# Altium PCB PCB-Tester-Board.PcbDoc (part 2 of 7)
Units mm, origin at the board's own origin, x right, y up, seen from the top; angles counter-clockwise.
Board outline 400 x 300 mm, 8 copper layers (Top Layer, Inner1, Inner2, Inner3, Inner4, Inner5, Inner6, Bottom Layer), stack 1.515 mm thick; 757 components, 658 nets, 2830 pads, 1016 vias.
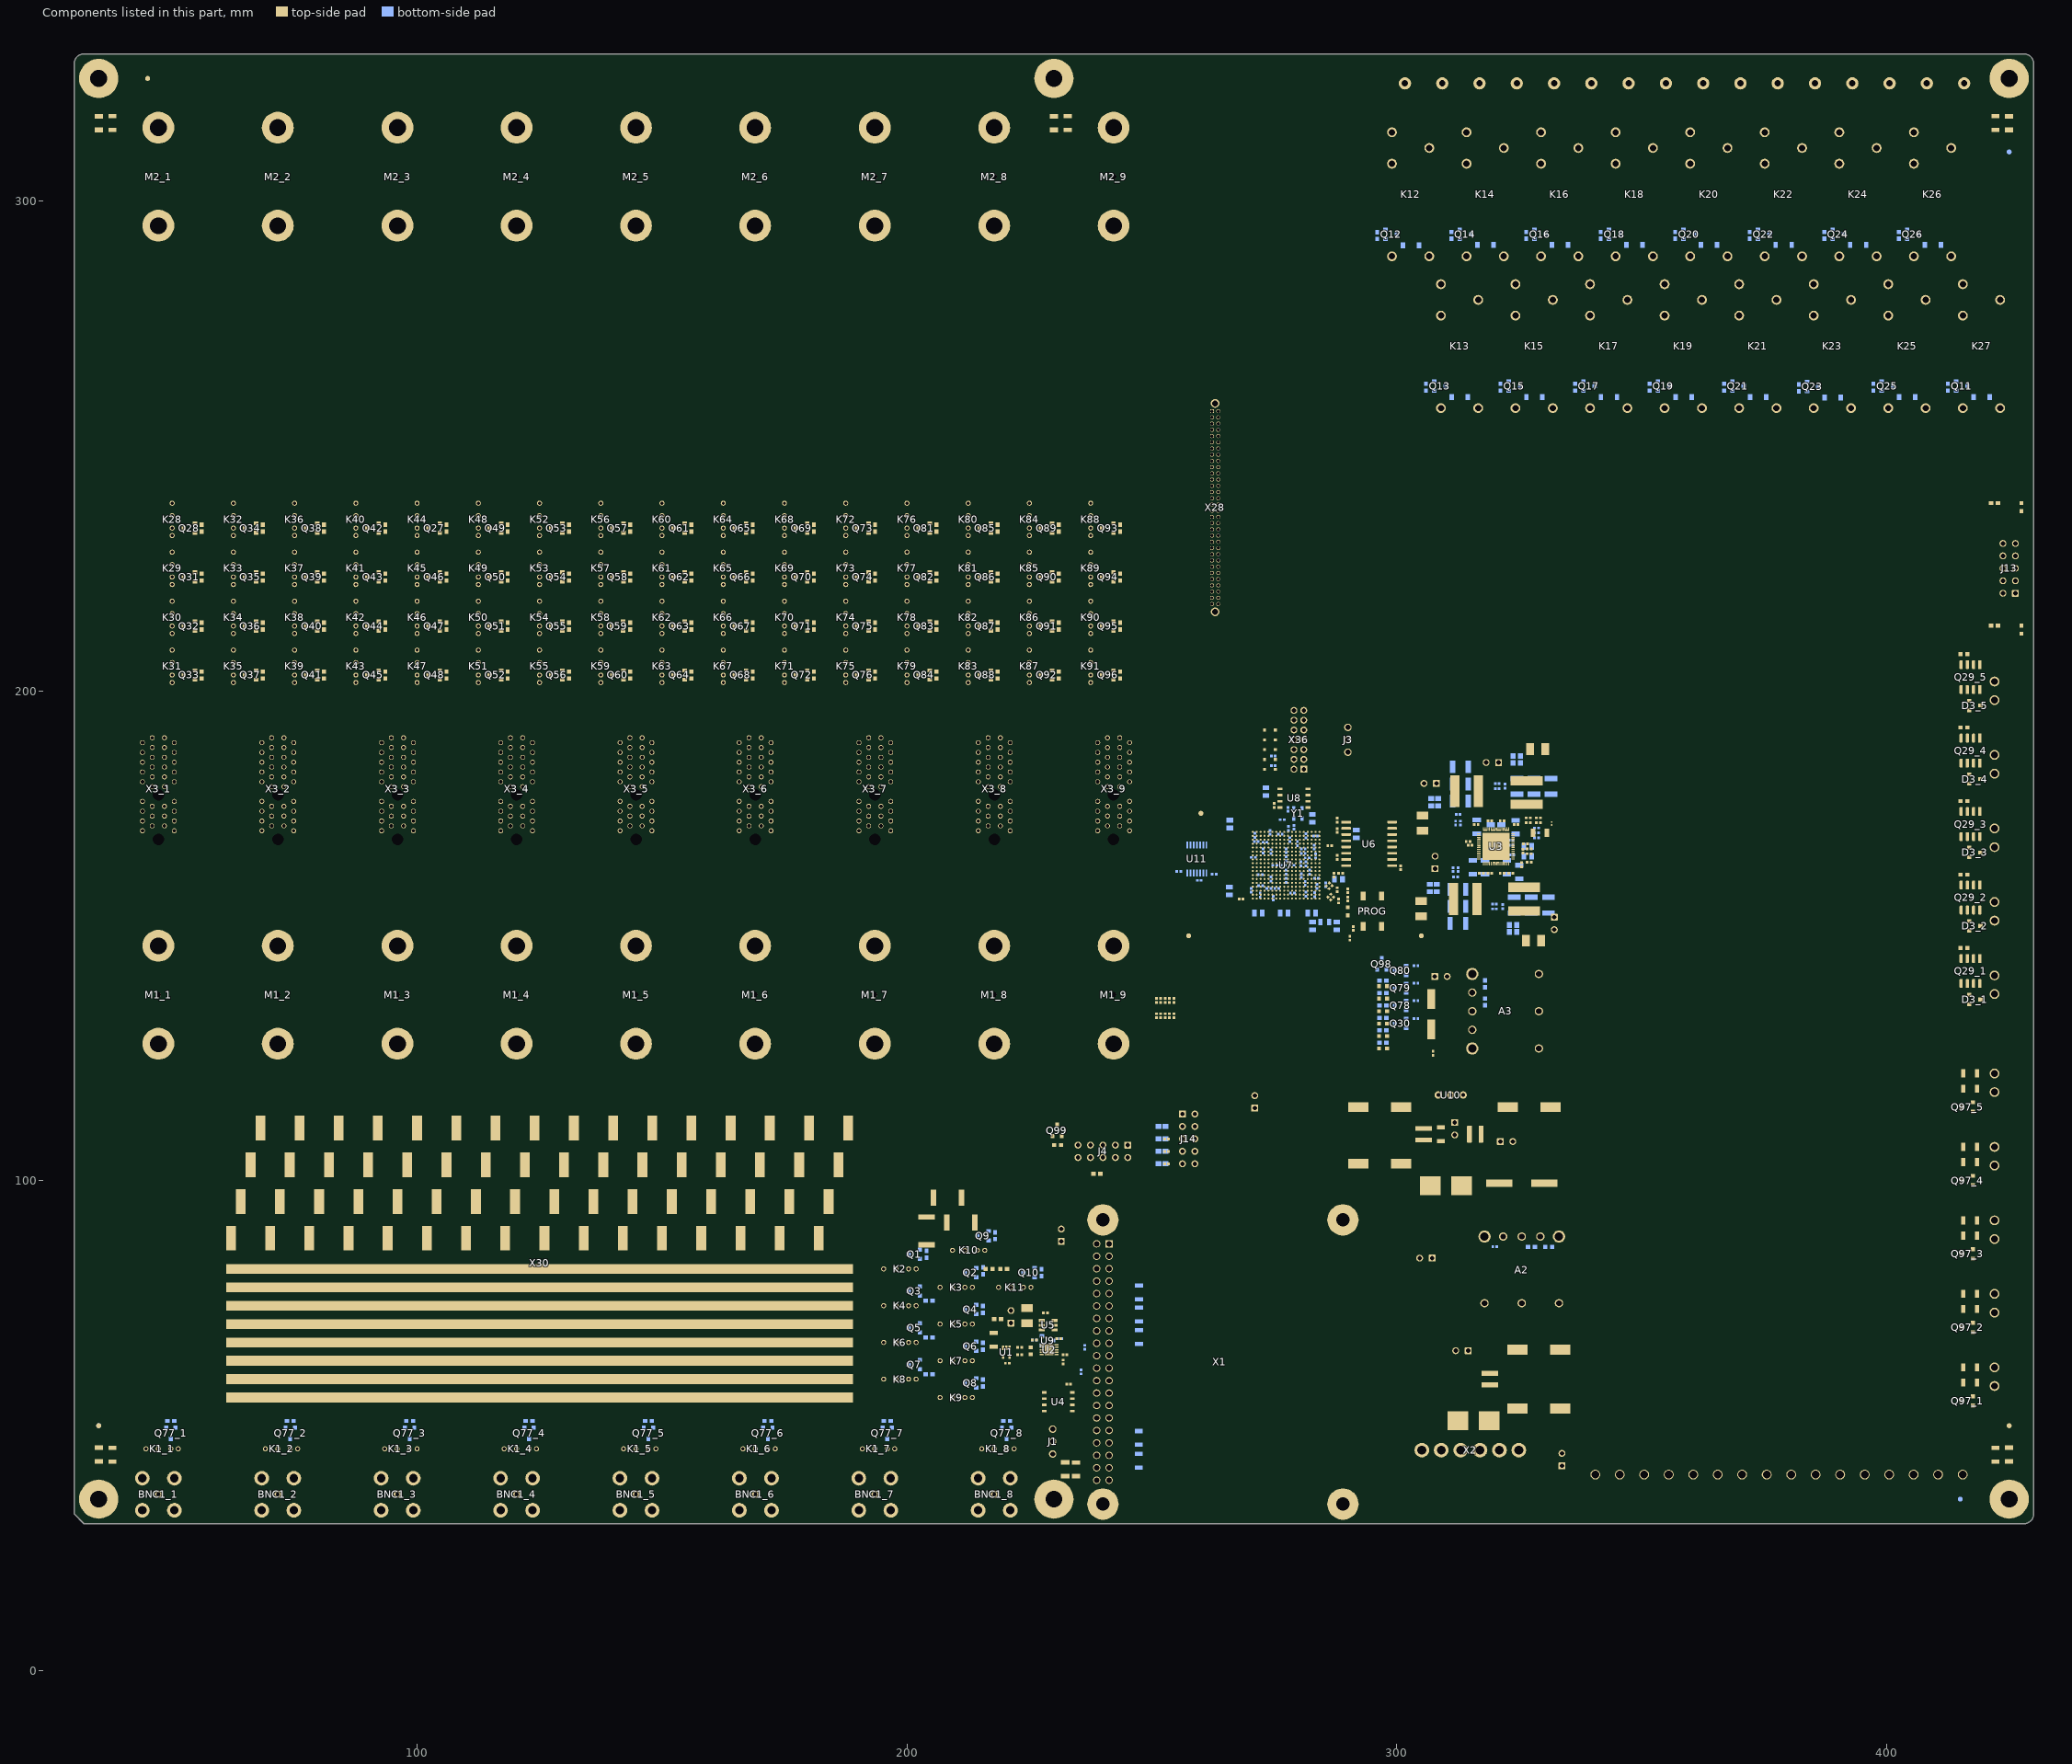
[diagram p8: the components of this part, seen from the top]

## Components (designator, comment, footprint, x,y, rotation, side; value= is the part's Value field where it differs from the comment) (continued)
R98 "R" "R0402 Reflow" 252.7,136.819 r90 top value=10K
R99 "R" "R0603 Reflow" 297.167,133.235 r180 bottom value=3k6
R100 "R" "R0402 Reflow" 252.7,133.688 r270 top value=10K
R101 "R" "R0603 Reflow" 297.167,135.775 r180 bottom value=3k6
R102 "R" "R0402 Reflow" 253.593,136.819 r90 top value=10K
R103 "R" "R0603 Reflow" 297.167,138.315 r180 bottom value=DNM
R104 "R" "R0402 Reflow" 253.593,133.688 r270 top value=10K
R105 "R" "R0603 Reflow" 297.167,140.855 r180 bottom value=3k6
R106 "R" "R0402 Reflow" 254.507,136.819 r90 top value=10K
R107 "R" "R0402 Reflow" 236.3,66 r270 bottom value=33
R108 "R" "R0402 Reflow" 235.5,60.98 r270 bottom value=33
R109 "R" "R2512 Reflow" 204,89.75 r270 top value=39k
R110 "R" "R2512 Reflow" 211,91.5 r0 top value=39k
R111 "R" "R0603 Reflow" 216.75,82 r180 top value=3k6
R112 "R" "R0603 Reflow" 219.75,82 r0 top value=3k6
R113 "R" "R2512 Reflow" 208.25,96.5 r180 top value=39k
R114 "R" "R0402 Reflow" 223,64.5 r180 top value=33
R115 "R" "R0402 Reflow" 232.25,64.5 r0 top value=33
R116_1 "R" "R1206 Reflow" 417,61.905 r180 top value=12k (schematic designator R116)
R116_2 "R" "R1206 Reflow" 417,76.905 r180 top value=12k (schematic designator R116)
R116_3 "R" "R1206 Reflow" 417,91.905 r180 top value=12k (schematic designator R116)
R116_4 "R" "R1206 Reflow" 417,106.905 r180 top value=12k (schematic designator R116)
R116_5 "R" "R1206 Reflow" 417,121.905 r180 top value=12k (schematic designator R116)
R117_1 "R" "R1206 Reflow" 417,58.802 r180 top value=12k (schematic designator R117)
R117_2 "R" "R1206 Reflow" 417,73.802 r180 top value=12k (schematic designator R117)
R117_3 "R" "R1206 Reflow" 417,88.802 r180 top value=12k (schematic designator R117)
R117_4 "R" "R1206 Reflow" 417,103.802 r180 top value=12k (schematic designator R117)
R117_5 "R" "R1206 Reflow" 417,118.802 r180 top value=12k (schematic designator R117)
R118 "R" "R0402 Reflow" 262.7,162.6 r180 bottom value=33
R119 "R" "R0402 Reflow" 290,157.5 r270 top value=33
R120 "R" "R0402 Reflow" 303.9,133.1 r0 bottom value=10K
R121 "R" "R0402 Reflow" 327,165 r0 top value=10K
R122 "R" "R0402 Reflow" 325.5,164.5 r270 top value=DNM
R123 "R" "R0402 Reflow" 325.75,167.25 r90 top value=2R2
R124 "R" "R0402 Reflow" 303.9,136.783 r0 bottom value=10K
R125 "R" "R0402 Reflow" 328.5,170 r0 bottom value=10K
R126 "R" "R0402 Reflow" 323.5,166.5 r180 bottom value=DNM
R127 "R" "R0402 Reflow" 252.999,108.54 r180 top value=10K
R128 "R" "R0402 Reflow" 252.999,105.994 r180 top value=10K
R129 "R" "R0402 Reflow" 252.999,103.46 r180 top value=10K
R130 "R" "R0402 Reflow" 311.995,173.012 r90 bottom value=DNM
R131 "R" "R0402 Reflow" 303.9,140.32 r0 bottom value=DNM
R132 "R" "R0402 Reflow" 328.5,171 r0 bottom value=DNM
R133 "R" "R0402 Reflow" 323.317,168.494 r180 bottom value=10K
R134 "R" "R0402 Reflow" 312.995,173.012 r270 bottom value=DNM
R135 "R" "R0402 Reflow" 320.474,181.051 r0 bottom value=1k
R136 "R" "R0402 Reflow" 328.879,174.066 r0 top value=10K
R137 "R" "R0402 Reflow" 326.822,174.066 r180 top value=10K
R138 "R" "R0402 Reflow" 303.9,143.92 r0 bottom value=10K
R139 "R" "R0402 Reflow" 328.5,172 r0 bottom value=10K
R140 "R" "R0402 Reflow" 323.317,169.494 r180 bottom value=DNM
R141 "R" "R0402 Reflow" 320.474,180.051 r180 bottom value=1k
R142 "R" "R1206 Reflow" 309,109.5 r90 top value=DNM
R143 "R" "R0603 Reflow" 206,233.222 r270 top value=4K7
R144 "R" "R0603 Reflow" 206,223.222 r270 top value=4K7
R145 "R" "R0603 Reflow" 206,213.222 r270 top value=4K7
R146 "R" "R0603 Reflow" 206,203.222 r270 top value=4K7
R147 "R" "R0603 Reflow" 218.5,233.222 r270 top value=4K7
R148 "R" "R0603 Reflow" 218.5,223.222 r270 top value=4K7
R149 "R" "R0603 Reflow" 218.5,213.222 r270 top value=4K7
R150 "R" "R0603 Reflow" 218.5,203.222 r270 top value=4K7
R151 "R" "R0603 Reflow" 231,233.222 r270 top value=4K7
R152 "R" "R0603 Reflow" 231,223.222 r270 top value=4K7
R153 "R" "R0603 Reflow" 231,213.222 r270 top value=4K7
R154 "R" "R0603 Reflow" 231,203.222 r270 top value=4K7
R155 "R" "R0603 Reflow" 243.5,233.222 r270 top value=4K7
R156 "R" "R0603 Reflow" 243.5,223.222 r270 top value=4K7
R157 "R" "R0603 Reflow" 243.5,213.222 r270 top value=4K7
R158 "R" "R0603 Reflow" 243.5,203.222 r270 top value=4K7
R159 "R" "R0402 Reflow" 288.52,162.776 r0 top value=330
R160 "R" "R0402 Reflow" 274.775,184.7 r180 bottom value=4K7
R161 "R" "R0402 Reflow" 274.775,186.7 r180 bottom value=4K7
R162 "R" "R0402 Reflow" 287.172,162.4 r90 top value=DNM
R163 "R" "R0402 Reflow" 286.3,168.388 r0 top value=33
R164 "R" "R0402 Reflow" 287.8,173.6 r90 top value=4K7
R165 "R" "R0402 Reflow" 300.8,163.9 r270 top value=4K7
R166_1 "R" "R1206 Reflow" 247.302,42.81 r90 bottom value=12k (schematic designator R166)
R166_2 "R" "R1206 Reflow" 247.302,47.5 r90 bottom value=12k (schematic designator R166)
R166_3 "R" "R1206 Reflow" 247.341,68.1 r90 bottom value=12k (schematic designator R166)
R166_4 "R" "R1206 Reflow" 247.341,72.7 r90 bottom value=12k (schematic designator R166)
R166_5 "R" "R1206 Reflow" 247.341,77.232 r90 bottom value=12k (schematic designator R166)
R167 "R" "R0603 Reflow" 297.18,128.168 r180 bottom value=3k6
R168 "R" "R0603 Reflow" 297.167,130.695 r180 bottom value=3k6
R169 "R" "R0402 Reflow" 286.5,160.5 r315 top value=DNM
R170 "R" "R0402 Reflow" 287.8,159.4 r90 top value=DNM
R171 "R" "R0402 Reflow" 285.887,159.899 r315 top value=DNM
R172 "R" "R0402 Reflow" 286.814,158.201 r315 top value=DNM
R173 "R" "R0402 Reflow" 288.114,157.101 r90 top value=DNM
R174 "R" "R0402 Reflow" 286.2,157.6 r315 top value=DNM
R175 "R" "R0603 Reflow" 422,213.325 r180 top value=1k8
R176 "R" "R0603 Reflow" 422,238.325 r180 top value=1k8
R177 "R" "R1206 Reflow" 217.677,67.559 r90 top value=360k
R178 "R" "R1206 Reflow" 37.8,44.1 r90 top value=DNM
R179 "R" "R1206 Reflow" 234.5,41.1 r90 top value=DNM
R180 "R" "R1206 Reflow" 422.2,44.1 r90 top value=DNM
R181 "R" "R1206 Reflow" 422.2,315.9 r270 top value=DNM
R182 "R" "R1206 Reflow" 232.8,315.9 r270 top value=DNM
R183 "R" "R1206 Reflow" 37.8,315.9 r270 top value=DNM
R184 "R" "R0402 Reflow" 259.676,161.306 r0 bottom value=10K
R185 "R" "R0603 Reflow" 230.75,107.27 r180 top value=4K7
R186 "R" "R0402 Reflow" 290.4,149.5 r270 top value=10K
R187 "R" "R0603 Reflow" 238.8,101.4 r180 top value=4K7
R188 "R" "R0402 Reflow" 268.2,157.511 r180 top value=1k
TP1 "TP" "DualTestpoint 100mils" 231.5,88.87 r90 top
TP2 "TP" "DualTestpoint 100mils" 221.227,72.22 r90 top
TP3 "TP" "DualTestpoint 100mils" 333.7,43.07 r90 top
TP4 "TP" "DualTestpoint 100mils" 313.3,65.3 r180 top
TP5 "TP" "DualTestpoint 100mils" 305.93,84.2 r180 top
TP6 "TP" "DualTestpoint 100mils" 332.14,152.52 r270 top
TP7 "TP" "DualTestpoint 100mils" 307.8,164.97 r90 top
TP8 "TP" "DualTestpoint 100mils" 306.806,181.1 r180 top
TP9 "TP" "DualTestpoint 100mils" 319.5,185.36 r180 top
TP10 "TP" "DualTestpoint 100mils" 271,116.1 r90 top
TP11 "TP" "DualTestpoint 100mils" 311.82,110.61 r270 top
TP12 "TP" "DualTestpoint 100mils" 322.4,108 r0 top
TP13 "TP" "DualTestpoint 100mils" 309,141.7 r0 top
U1 "U" SC70-5 220.25,65 r180 top
U2 "U" TDFN10EP 229,65.5 r270 top
U3 "IRPS5401M" QFN4-7x7-56_IRPS5401M 320.25,168.25 r270 top
U4 "U" "SOIC8 (R-8)" 230.88,54.885 r270 top
U5 "U" TSOT23-6(S6) 228.81,70.5 r90 top
U6 "U" SOICW-16 294.335,168.758 r0 top
U7 "U" XC7A15T-1CSG324C 277.4,164.4 r0 top
U8 "U" "SOIC8 (R-8)" 279,178.1 r90 top
U9 "U" SOT23-3 228.7,67.375 r270 bottom
U10 "U" "3SIP Traco" 311,117.5 r0 top
U11 "U" TSSOP14 259.175,165.7 r0 bottom
X1 "X" "RPI4B Footprint" 239.994,63 r270 top locked
X2 "X" B6PS-VH 315,45 r0 top locked
X3_1 "X" PCIE-036-02-F-D-TH 47.188,178.778 r90 top locked (schematic designator X3)
X3_2 "X" PCIE-036-02-F-D-TH 71.563,178.778 r90 top locked (schematic designator X3)
X3_3 "X" PCIE-036-02-F-D-TH 96,178.778 r90 top locked (schematic designator X3)
X3_4 "X" PCIE-036-02-F-D-TH 120.313,178.778 r90 top locked (schematic designator X3)
X3_5 "X" PCIE-036-02-F-D-TH 144.688,178.778 r90 top locked (schematic designator X3)
X3_6 "X" PCIE-036-02-F-D-TH 169,178.778 r90 top locked (schematic designator X3)
X3_7 "X" PCIE-036-02-F-D-TH 193.438,178.778 r90 top locked (schematic designator X3)
X3_8 "X" PCIE-036-02-F-D-TH 217.813,178.778 r90 top locked (schematic designator X3)
X3_9 "X" PCIE-036-02-F-D-TH 242.188,178.778 r90 top locked (schematic designator X3)
X4 "X" 691352710002 343,29 r0 top locked
X5 "X" 1731721 305.46,324 r180 top locked
X6 "X" 691312710002 343,40 r0 top locked
X7 "X" 691352710002 393,29 r0 top locked
X8 "X" 1731721 320.68,324 r180 top locked
X9 "X" 691312710002 353,40 r0 top locked
X10 "X" 691352710002 403,29 r0 top locked
X11 "X" 1731721 335.9,324 r180 top locked
X12 "X" 691312710002 363,40 r0 top locked
X13 "X" 691312710002 373,40 r0 top locked
X14 "X" 1731721 351.12,324 r180 top locked
X15 "X" 691352710002 413,29 r0 top locked
X16 "X" 691312710002 383,40 r0 top locked
X17 "X" 691352710002 383,29 r0 top locked
X18 "X" 1731721 366.34,324 r180 top locked
X19 "X" 691312710002 393,40 r0 top locked
X20 "X" 1731721 381.56,324 r180 top locked
X21 "X" 691352710002 353,29 r0 top locked
X22 "X" 691312710002 403,40 r0 top locked
X23 "X" 1731721 396.78,324 r180 top locked
X24 "X" 691312710002 413,40 r0 top locked
X25 "X" 691352710002 363,29 r0 top locked
X26 "X" 1731721 412,324 r180 top locked
X27 "X" 691352710002 373,29 r0 top locked
X28 "X" TFC-132-01-F-D-LA 262.903,237.4 r270 top locked
X30 "X" CONFIG64 125,99.5 r0 top
X31_1 "X" 691322310002 422,60 r90 top locked (schematic designator X31)
X31_2 "X" 691322310002 422,75 r90 top locked (schematic designator X31)
X31_3 "X" 691322310002 422,90 r90 top locked (schematic designator X31)
X31_4 "X" 691322310002 422,105 r90 top locked (schematic designator X31)
X31_5 "X" 691322310002 422,120 r90 top locked (schematic designator X31)
X32_1 "X" 691361300002 430,60 r90 top locked (schematic designator X32)
X32_2 "X" 691361300002 430,75 r90 top (schematic designator X32)
X32_3 "X" 691361300002 430,90 r90 top (schematic designator X32)
X32_4 "X" 691361300002 430,105 r90 top (schematic designator X32)
X32_5 "X" 691361300002 430,120 r90 top (schematic designator X32)
X33_1 "X" 691322310002 422,140 r90 top locked (schematic designator X33)
X33_2 "X" 691322310002 422,155 r90 top locked (schematic designator X33)
X33_3 "X" 691322310002 422,170 r90 top locked (schematic designator X33)
X33_4 "X" 691322310002 422,185 r90 top locked (schematic designator X33)
X33_5 "X" 691322310002 422,200 r90 top locked (schematic designator X33)
X34_1 "X" 691361300002 430,140 r90 top locked (schematic designator X34)
X34_2 "X" 691361300002 430,155 r90 top (schematic designator X34)
X34_3 "X" 691361300002 430,170 r90 top (schematic designator X34)
X34_4 "X" 691361300002 430,185 r90 top (schematic designator X34)
X34_5 "X" 691361300002 430,200 r90 top (schematic designator X34)
X36 "X" LTMM-107-02-F-D 280,190 r90 top locked
Y1 "Y" 4SMD 279.8,175 r270 bottom
Z1 "Z" HSM2.5-6.4-16-2 240.049,34 r0 top locked
Z2 "Z" HSM2.5-6.4-16-2 240,92 r0 top locked
Z3 "Z" HSM2.5-6.4-16-2 289,92 r0 top locked
Z4 "Z" HSM2.5-6.4-16-2 288.994,34 r0 top locked

## Footprints (in the part's own frame and the unit in brackets; to place one, negate y for a bottom-side part, rotate by r counter-clockwise, add the part's x,y. Pads: shape width x height; smd on the part's side, far side on the other; paste and mask are expansions set on the pad)
"3SIP Traco" [mm] "Traco (1951-2692-ND)"
  round 1.5 hole 0.8: 1(-2.54,0) 2(0,0) 3(2.54,0)
  silkscreen extent -7.35,-4.13 7.35,4.13, body extent -7,-3.9 7,3.6, height 10.1
4SMD [mm]
  rect 0.9x0.65 smd paste+0: 1(-1.05,-0.825) 2(1.05,-0.825) 3(1.05,0.825) 4(-1.05,0.825)
  body extent -1.6,-1.25 1.6,1.25, height 1.2
118-1A [mil] "ATE Relay (NO)"
  round 40 hole 25: 1(-130,0) 2(-70,0) 3(30,0) 4(130,0)
  silkscreen extent -160,-95 160,95, body extent -160,-95 160,94, height 600
1731721 [mm] "TERM BLK 2P SIDE ENT 7.62MM PCB"
  round 2.5 hole 1.3: 1(-3.805,0) 2(3.805,0)
  silkscreen extent -8.3,-5.6 7.7,5.8, body extent -8.21,-5.5 7.6,5.7, height 18.35
970180155 [mm] "PLASTIC SPACER STUD METRIC THREA"
  body extent -3.69,-3.2 3.7,45.85, height 18
691312710002 [mm] "TERM BLOCK HDR 2POS 90DEG 5MM"
  round 2 hole 1.6 paste-2: 1(-2.5,0) 2(2.5,0)
  silkscreen extent -5,-9.5 5,2, body extent -5,-10 5,2, height 8.5
691322310002 [mm] "TERM BLOCK HDR 2POS 90DEG 3.81MM"
  round 2 hole 1.4 paste+0: 1(-1.905,0) 2(1.905,0)
  silkscreen extent -4.4,-5.71 4.41,1.2, body extent -4.4,-8 4.41,1.2, height 7.2
691352710002 [mm] "TERM BLOCK PLUG 2POS STR 5MM"
  body extent -5,-20.2 5,-2, height 15.15
691361300002 [mm] "TERM BLOCK PLUG 2POS STR 3.81MM"
  body extent -3.81,-17 3.81,-1.2, height 7.7
B6PS-VH [mm] "CONN HEADER R/A 6POS 3.96MM"
  round 3 hole 1.8: 1(-9.9,0) 2(-5.94,0) 3(-1.98,0) 4(1.98,0) 5(5.94,0) 6(9.9,0)
  silkscreen extent -11.88,-20.5 11.88,1.98, body extent -11.85,-14.9 11.85,0.57, height 8.5
BNC [mm] "112778"
  round 3 hole 1.7: 0(-3.275,3.275) 0(-3.275,-3.275) 0(3.275,3.275) 0(3.275,-3.275)
  round 1.5 hole 0.8: 1(0,0)
  silkscreen extent -5.3,-5.3 5.3,5.3, body extent -5.26,-5.25 5.26,22.64, height 11.64
"C0402 Reflow" [mm] "SMT CAP 0402 Reflow Soldering"
  rect 0.55x0.55 smd: 1(-0.4,0) 2(0.4,0)
  body extent -0.5,-0.25 0.5,0.25, height 0.5
"C0603 Reflow" [mm] "Chip Capacitor; Body 1.6x0.8mm (LxW typ), IPC High Density"
  rect 0.75x0.9 smd: 1(-0.7,0) 2(0.7,0)
  body extent -0.87,-0.48 0.87,0.48, height 0.85
"C0805 Reflow" [mm] "SMT Capacitor 0805 Reflow Soldering"
  rect 0.95x1.35 smd: 1(-0.8,0) 2(0.8,0)
  body extent -1,-0.62 1,0.63, height 0.6
"C1206 Reflow" [mm] "SMT Capacitor 1206 Reflow Soldering"
  rect 0.95x1.7 smd: 1(-1.4,0) 2(1.4,0)
  body extent -1.6,-0.8 1.6,0.8, height 0.78
"C1210 Reflow" [mm] "SMT Capacitor 1210 Reflow Soldering"
  rect 1.1x2.6 smd: 1(-1.6,0) 2(1.6,0)
  body extent -1.6,-1.25 1.6,1.25, height 0.78
CAP_EL_KE0 [mm] "Electrolytic capacitor package KE0"
  rect 1.5x5.4 smd mask+0.05: 1(0,4.6) 2(0,-4.6)
  silkscreen extent -6.6,-6.6 6.6,6.6, body extent -6.6,-6.95 6.6,6.95, height 14
CAP_TAN_B [mm] "Tantalum capacitor in case B"
  rect 1.6x2.4 smd mask+0.05: 1(-1.55,0) 2(1.55,0)
  silkscreen extent -2.5,-1.5 -2.5,1.5, body extent -1.9,-1.5 1.9,1.5, height 2.1
CONFIG64 [mm] "PCB Tester Configuration area (64 relays)"
  rect 2x5 smd: 1(-63,-11.25) 2(-61,-3.75) 3(-59,3.75) 4(-57,11.25) 5(-55,-11.25) 6(-53,-3.75) 7(-51,3.75) 8(-49,11.25) 9(-47,-11.25) 10(-45,-3.75) 11(-43,3.75) 12(-41,11.25) 13(-39,-11.25) 14(-37,-3.75) 15(-35,3.75) 16(-33,11.25) 17(-31,-11.25) 18(-29,-3.75) 19(-27,3.75) 20(-25,11.25) 21(-23,-11.25) 22(-21,-3.75) 23(-19,3.75) 24(-17,11.25) 25(-15,-11.25) 26(-13,-3.75) 27(-11,3.75) 28(-9,11.25) 29(-7,-11.25) 30(-5,-3.75) 31(-3,3.75) 32(-1,11.25) 33(1,-11.25) 34(3,-3.75) 35(5,3.75) 36(7,11.25) 37(9,-11.25) 38(11,-3.75) 39(13,3.75) 40(15,11.25) 41(17,-11.25) 42(19,-3.75) 43(21,3.75) 44(23,11.25) 45(25,-11.25) 46(27,-3.75) 47(29,3.75) 48(31,11.25) 49(33,-11.25) 50(35,-3.75) 51(37,3.75) 52(39,11.25) 53(41,-11.25) 54(43,-3.75) 55(45,3.75) 56(47,11.25) 57(49,-11.25) 58(51,-3.75) 59(53,3.75) 60(55,11.25) 61(57,-11.25) 62(59,-3.75) 63(61,3.75) 64(63,11.25)
  rect 128x2 smd paste-100: ABUS0(0,-17.5) ABUS1(0,-21.25) ABUS2(0,-25) ABUS3(0,-28.75) ABUS4(0,-32.5) ABUS5(0,-36.25) ABUS6(0,-40) ABUS7(0,-43.75)
"DualTestpoint 100mils" [mm] "Testpoint"
  rrect15% 1.4x1.4 hole 0.9: 1(-1.27,0)
  round 1.4 hole 0.9: 2(1.27,0)
  silkscreen extent -2.54,-1.27 2.54,1.27
FB0805 [mm] "SMT Ferrite Bead 0805"
  rect 0.8x1.3 smd: 1(-0.9,0) 2(0.9,0)
  body extent -1.15,-0.63 1.15,0.64, height 1.05
"Fiducial Cross" [mm]
  Top Layer circle w0.15: c0,0 r1
  Top Layer lines w0.15: 0,1.3 0,-1.3 ; -1.3,0 1.3,0
"Fiducial Point" [mm]
  round 1 smd paste+0 mask+0: 0(0,0)
  Top Layer circle w0.15: c0,0 r1
"Header 100mil 3x1" [mil] "HMTSW-103-07-G-S-240"
  round 60 hole 40: 1(-100,0) 2(0,0) 3(100,0)
  silkscreen extent -150,-50 150,50, body extent -150,-49 150,49, height 340
"Header 100mil 5x2" [mm]
  rrect15% 1.4x1.4 hole 0.9: 1(-5.08,-1.27)
  round 1.4 hole 0.9: 2(-5.08,1.27) 3(-2.54,-1.27) 4(-2.54,1.27) 5(0,-1.27) 6(0,1.27) 7(2.54,-1.27) 8(2.54,1.27) 9(5.08,-1.27) 10(5.08,1.27)
  silkscreen extent -6.35,-2.54 6.35,2.51, body extent -6.35,-2.51 6.35,2.51, height 8.64
HF118F005-1ZS1 [mm] "Power Relay (Switch Over)"
  round 2 hole 1.3 paste-5: 1(-12.55,-3.81) 2(9.55,-3.81) 3(12.75,3.81) 4(6.35,3.81) 5(-12.55,3.81)
  silkscreen extent -14.25,-5.05 14.25,5.05, body extent -14.25,-5.05 14.25,5.05, height 12.2
HOLE_3.4mm [mm]
  round 8 hole 3.4: 1(0,0)
HSM2.5-6.4-16-2 [mm] "M2.5 x 16 mm hex standoff"
  body extent -3.69,-3.2 3.7,3.2, height 16
I3A-POSETIVE [mm]
  round 1.7 hole 1.2 paste+0: 1(-6.8,7.6) 2(-6.8,0) 3(-6.8,-7.6) 5(6.8,-3.8) 6(6.8,0) 7(6.8,3.8)
  round 2.5 hole 1.7 paste+0: 4(6.8,-7.6) 8(6.8,7.6)
  silkscreen extent -9.49,-11.68 9.56,11.68, body extent -9.49,-11.68 9.56,11.68, height 9.54
JumperSMD [mm] "Chip Resistor, Body 1.6x0.8mm (LxW typ), IPC High Density"
  rect 1.2x1 smd: 1(-0.711,0) 2(0.711,0)
  body extent -0.89,-0.4 0.71,0.4, height 0.45
L0603G [mm] "LTST-C191KGKT"
  rect 0.8x0.8 smd: 1(-0.825,0) 2(0.825,0)
  silkscreen extent 1.7,-0.3 1.7,0.3, body extent -0.8,-0.4 0.8,0.4, height 0.8
LTMM-107-02-F-D [mm] "CONN HEADER VERT 14POS 2MM (Xilinx JTAG)"
  rect 1.4x1.4 hole 0.9 paste+0: 1(-6,-1)
  round 1.4 hole 0.9 paste+0: 2(-6,1) 3(-4,-1) 4(-4,1) 5(-2,-1) 6(-2,1) 7(0,-1) 8(0,1) 9(2,-1) 10(2,1) 11(4,-1) 12(4,1) 13(6,-1) 14(6,1)
  silkscreen extent -8.19,-3.01 8.19,3.52, body extent -8.19,-3.01 8.19,3.52, height 4.83
NT0201 [mm] "10 mil"
  rect 0.3x0.3 smd paste-1: 1(-0.3,0) 2(0.3,0)
  Top Layer lines w0.254: 0.3,0 -0.3,0
OMNI-Fuse [mm] "SMD2 Fuse Clip"
  rect 4.24x3.81 smd: 1(-3.19,0) 2(3.19,0)
  silkscreen extent -4.7,-2.5 4.7,2.5, body extent -4.92,-2.51 4.91,2.52, height 3.81
PCIE-036-02-F-D-TH [mm] "CONN PCI EXP FMALE 36POS 0.039"
  round 1 hole 2.35 unplated paste-2: 0(-9.15,0) 0(0,0)
  round 1 hole 0.7 paste-2: A1(11.65,-1.25) A2(10.65,-3.25) A3(9.65,-1.25) A4(8.65,-3.25) A5(7.65,-1.25) A6(6.65,-3.25) A7(5.65,-1.25) A8(4.65,-3.25) A9(3.65,-1.25) A10(2.65,-3.25) A11(1.65,-1.25) A12(-1.35,-3.25) A13(-2.35,-1.25) A14(-3.35,-3.25) A15(-4.35,-1.25) A16(-5.35,-3.25) A17(-6.35,-1.25) A18(-7.35,-3.25) B1(11.65,1.25) B2(10.65,3.25) B3(9.65,1.25) B4(8.65,3.25) B5(7.65,1.25) B6(6.65,3.25) B7(5.65,1.25) B8(4.65,3.25) B9(3.65,1.25) B10(2.65,3.25) B11(1.65,1.25) B12(-1.35,3.25) B13(-2.35,1.25) B14(-3.35,3.25) B15(-4.35,1.25) B16(-5.35,3.25) B17(-6.35,1.25) B18(-7.35,3.25)
  silkscreen extent -10.36,-4.1 14.64,5.05, body extent -10.36,-3.65 14.64,5.05, height 11.01
QFN4-7x7-56_IRPS5401M [mm] "QFN, 7x7mm, 56 pins, pitch 0.4mm, IRPS5401 version"
  rrect33% 0.7x0.22 smd: 1(-3.5,2.2) 1(-3.5,1.8) 4(-3.5,1.4) 5(-3.5,0.2) 5(-3.5,0.6) 5(-3.5,1) 8(-3.5,-1) 8(-3.5,-0.6) 8(-3.5,-0.2) 11(-3.5,-1.4) 12(-3.5,-1.8) 12(-3.5,-2.6) 12(-3.5,-2.2) 29(3.5,-2.6) 30(3.5,-2.2) 31(3.5,-1.8) 32(3.5,-1.4) 33(3.5,-1) 34(3.5,-0.6) 34(3.5,-0.2) 36(3.5,0.2) 36(3.5,0.6) 38(3.5,1) 39(3.5,1.4) 40(3.5,1.8) 41(3.5,2.2) 42(3.5,2.6)